# Altium PCB KAY1024_ATX.PcbDoc (part 1 of 4)
Units mm, origin at the board's own origin, x right, y up, seen from the top; angles counter-clockwise.
Board outline 170 x 215 mm, 2 copper layers (Top Layer, Bottom Layer), stack 1.57 mm thick; 239 components, 312 nets, 1637 pads, 958 vias.
Unrouted connection lines stored in the file: 1.
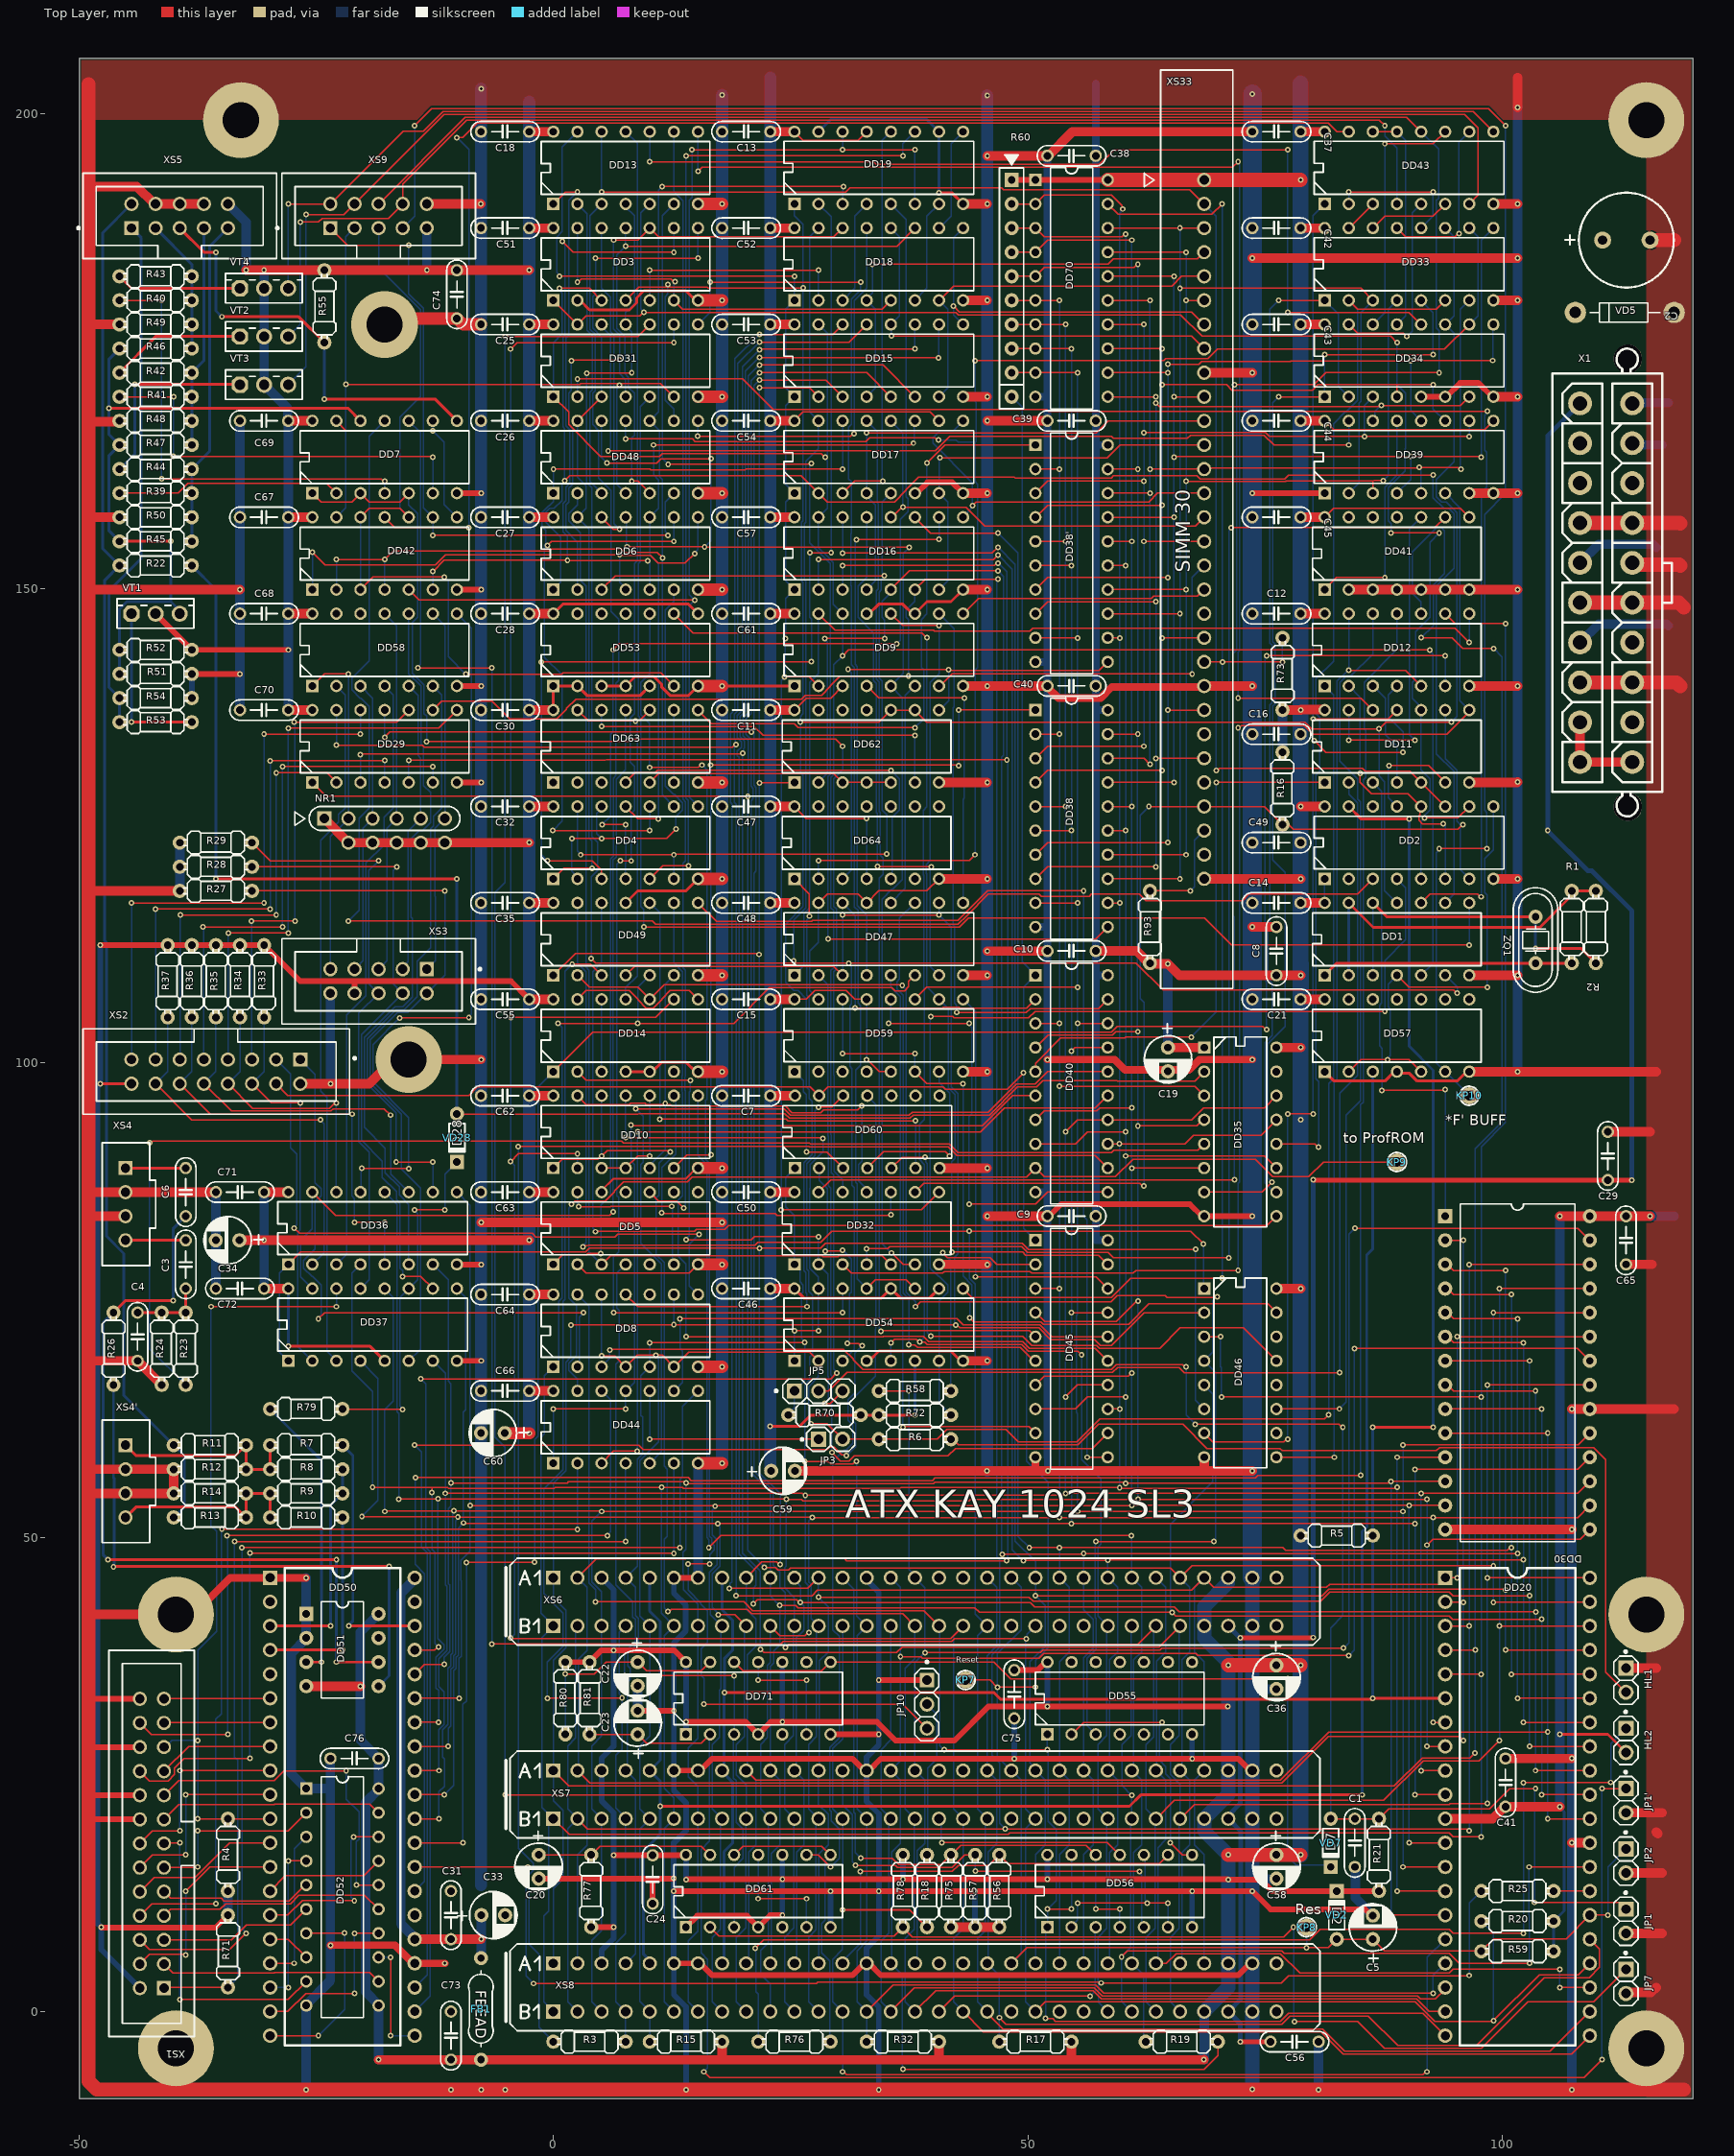
[diagram p0: Top Layer view]
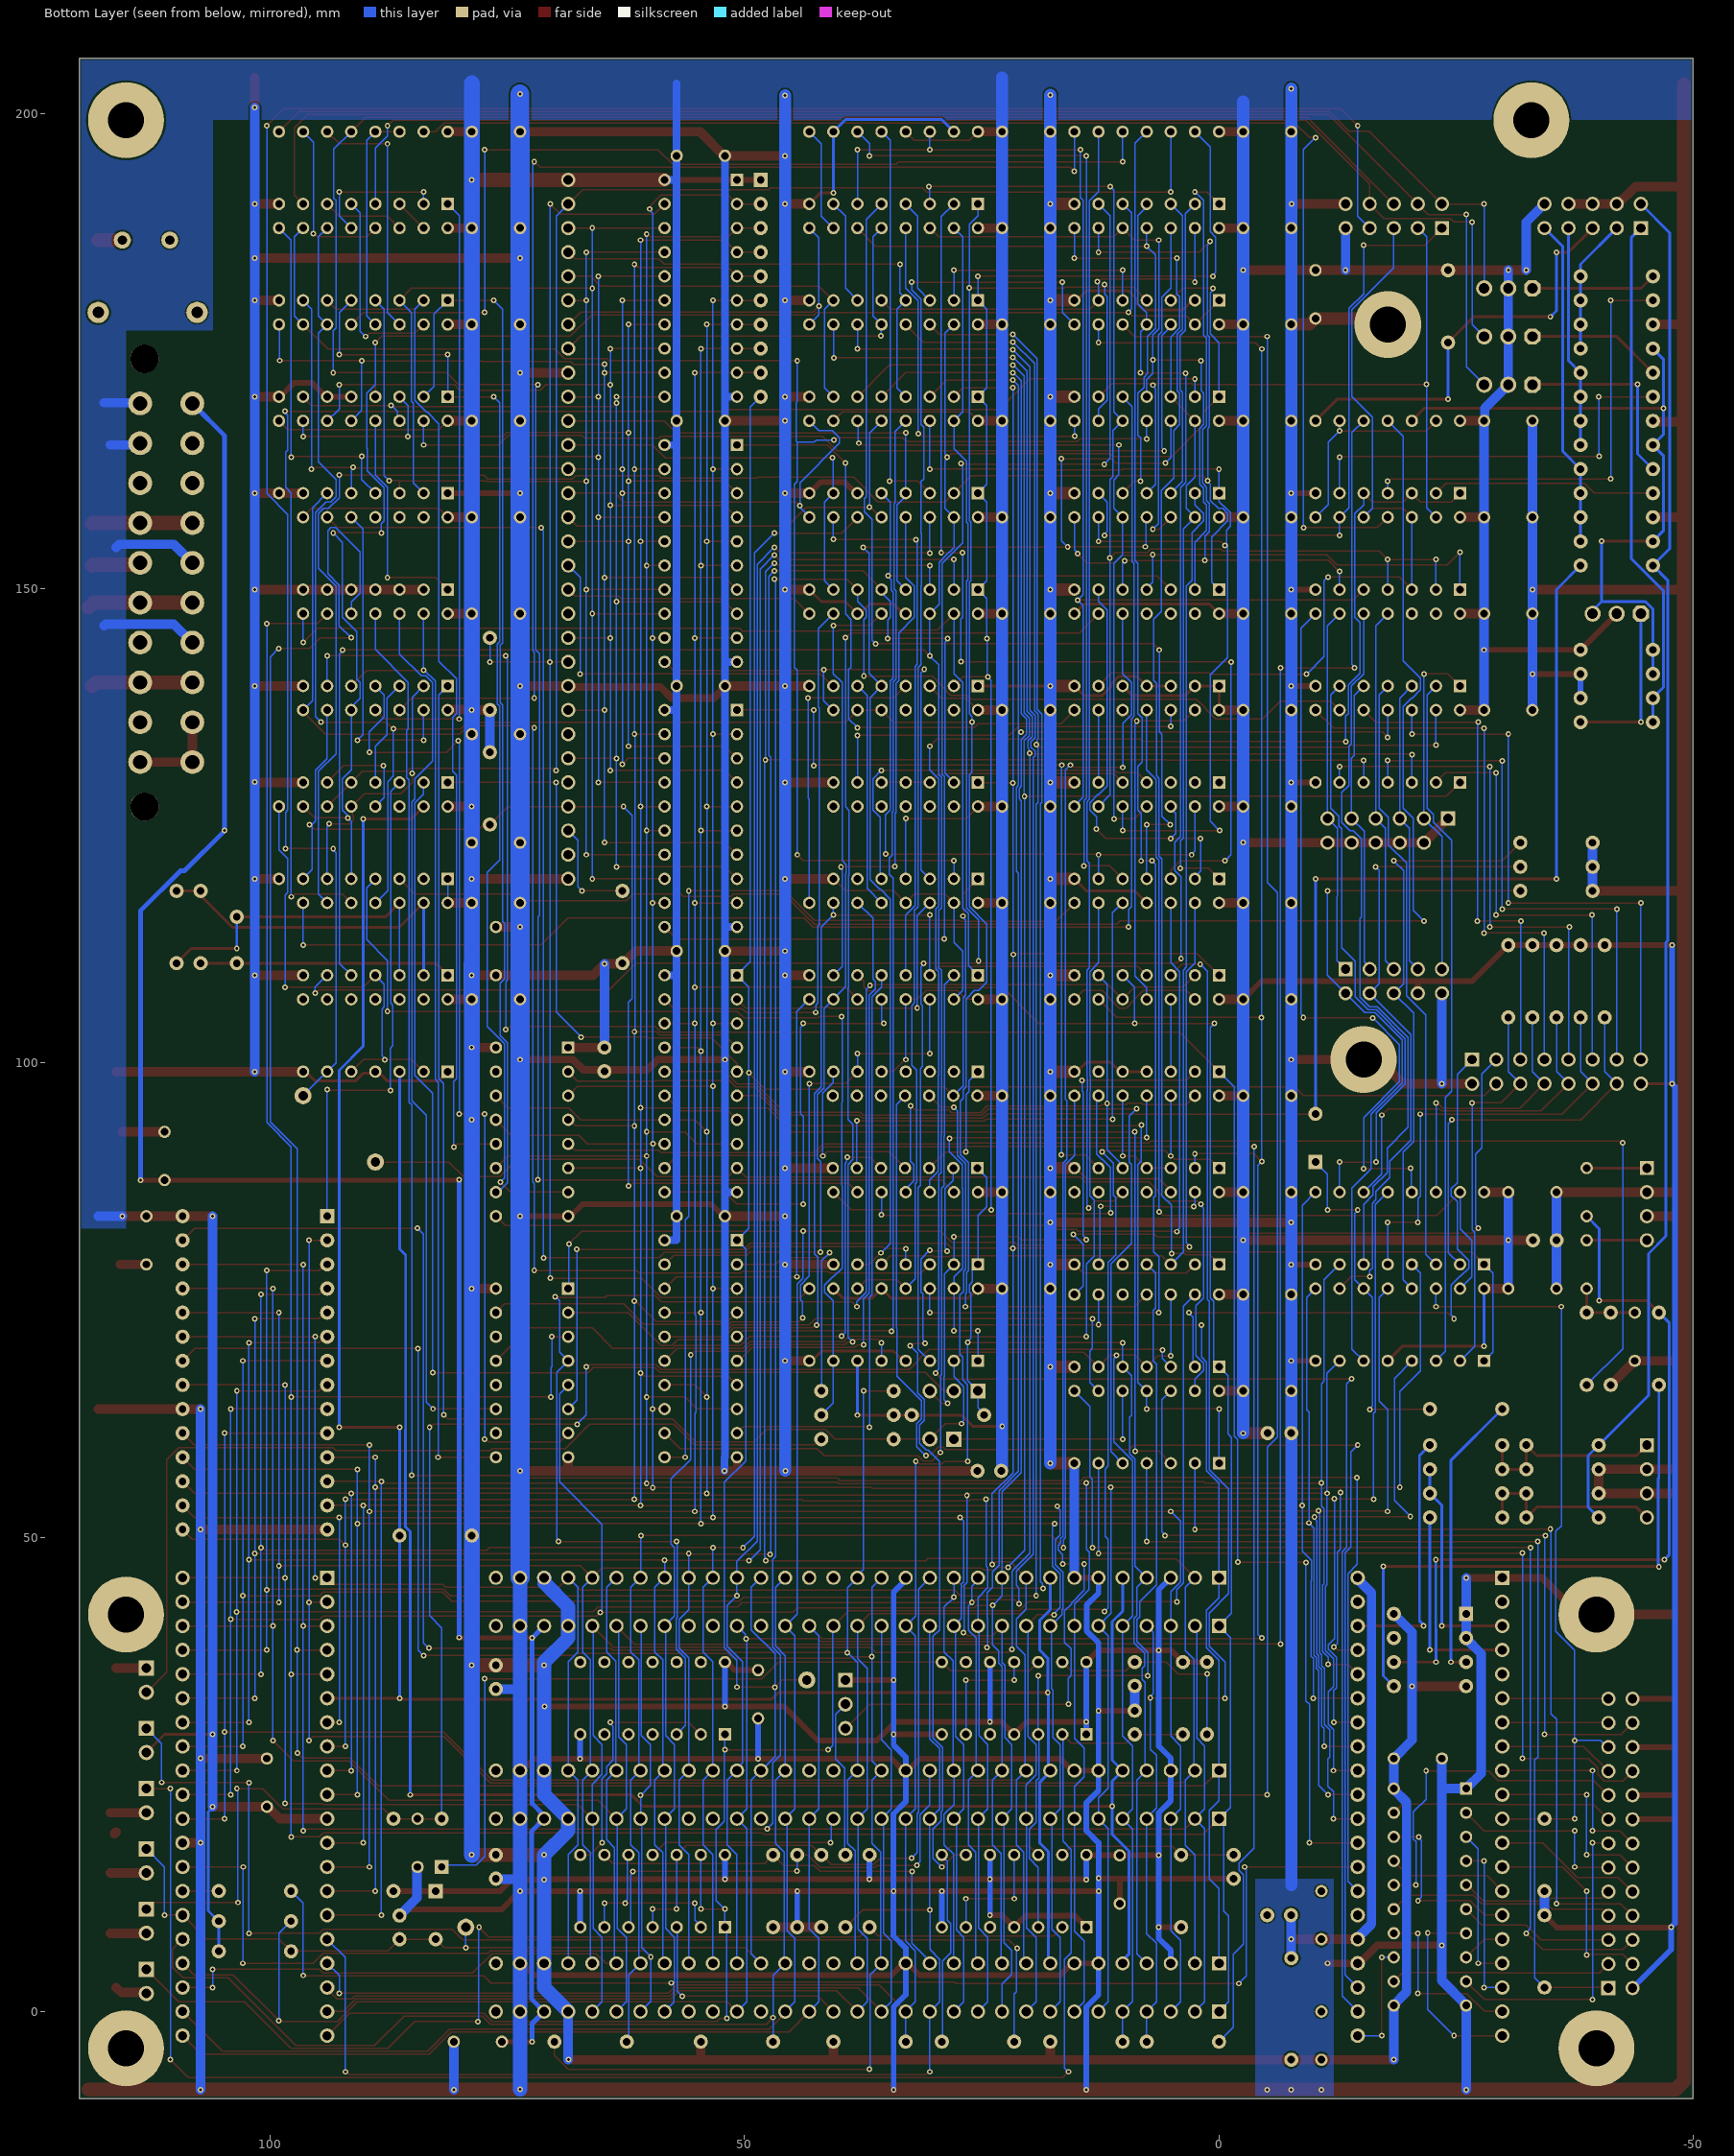
[diagram p1: Bottom Layer view, seen from below]
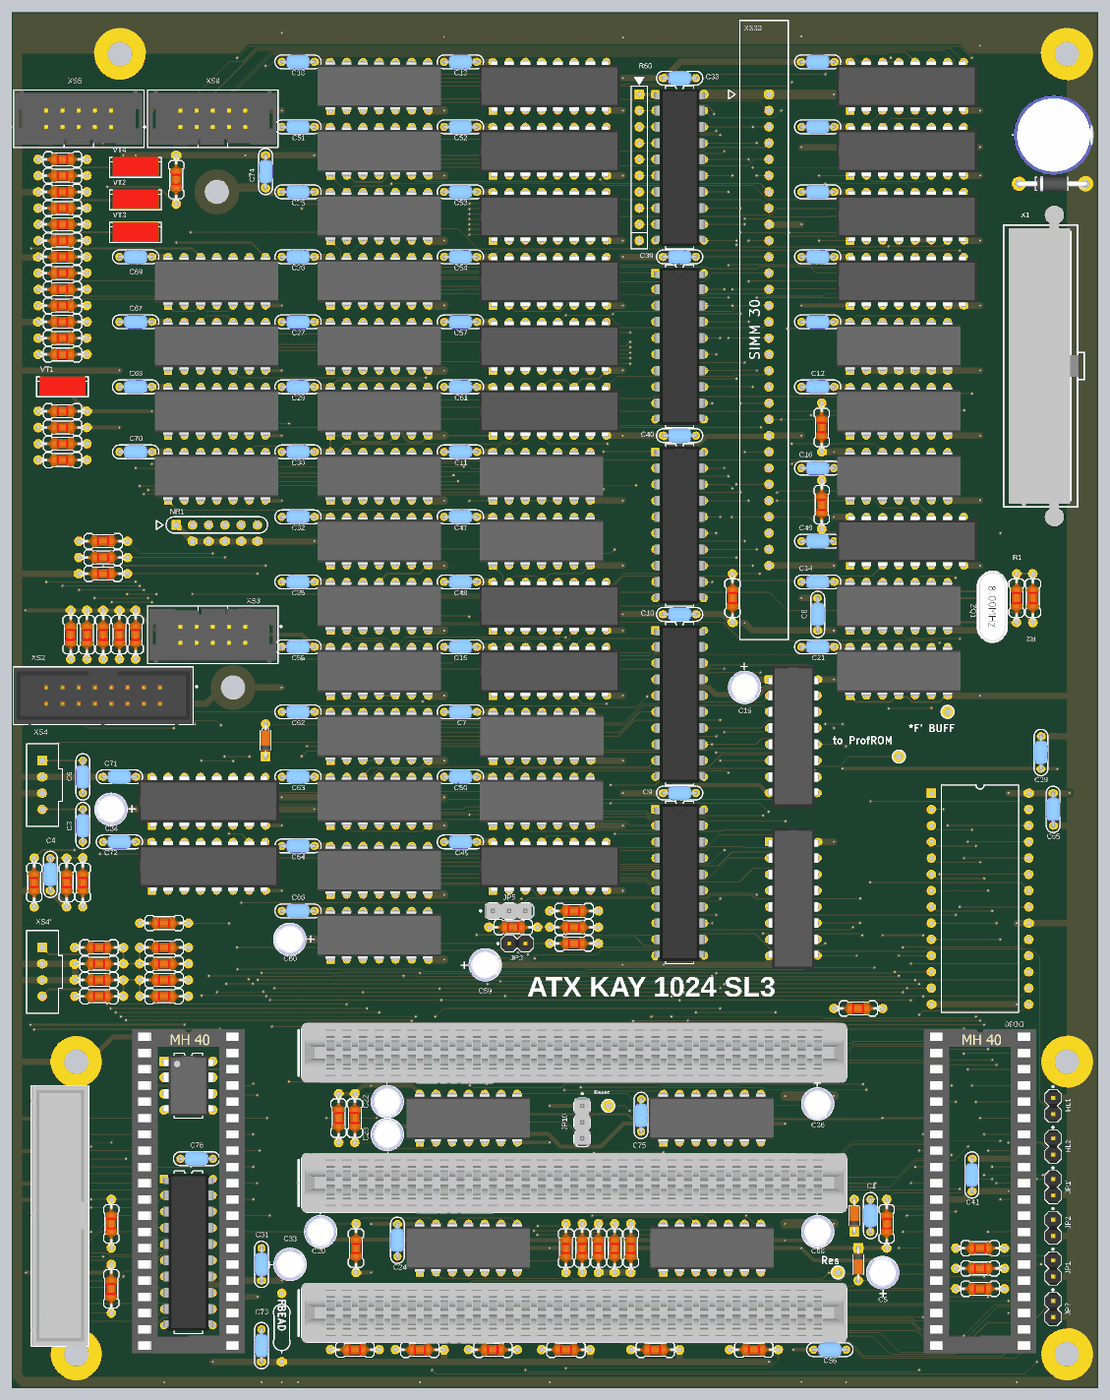
[diagram p5: 3D render of the assembled board from above, using the file's embedded part models]

## Layer stack, top to bottom
Top Solder: solder mask 0.0127, Solder Resist, Dk 3.8
Top Layer: signal copper 0.035
Dielectric: core 1.5, FR-4, Dk 4.5
Bottom Layer: signal copper 0.035
Bottom Solder: solder mask 0.0127, Solder Resist, Dk 3.8

## Board outline
-49.926,-9.164 120.074,-9.164 120.074,205.836 -49.926,205.836

## Design rules (kind name [scope] priority, off if disabled: settings)
BoardOutlineClearance [All] p1: gap=0.2 ignorepadtopadclearanceinfootprint=FALSE
Clearance [All] p1: gap=0.2 ignorepadtopadclearanceinfootprint=FALSE except(0.15: Arc-Arc Arc-Track Track-Track; 0.25: Arc-Hole Track-Hole SMDPad-Hole THPad-Hole Via-Hole Fill-Hole Poly-Hole Region-Hole Text-Hole)
ComponentClearance [All] p1: gap=0.127 collisioncheckmode=3 verticalgap=0.127 showdistances=TRUE
DiffPairsRouting [All] p1: maxlimit=0.254 minlimit=0.127 mostfreqgap=0.127 toplayer_minwidth=0.127 toplayer_maxwidth=25.4 toplayer_prefwidth=0.127 bottomlayer_minwidth=0.127 bottomlayer_maxwidth=25.4 bottomlayer_prefwidth=0.127 maxuncoupledlength=12.7
Height [All] p1: minheight=0 maxheight=1816.048 prefheight=12.7
HoleSize [All] p1: absolutevalues=TRUE maxlimit=6.3 minlimit=0.3 maxpercent=80.000 minpercent=20.000
HoleToHoleClearance [All] p1: gap=0.25 allowstackedmicrovias=FALSE
MinimumAnnularRing [All] p1: minimumring=0.076
MinimumSolderMaskSliver [All] p1: minsoldermaskwidth=0
PlaneClearance [All] p1: clearance=0.127
PlaneConnect PlaneConnectPowerPads [InPadClass('PowerPads')] p1: planeconnectstyle=Direct reliefexpansion=0.508 reliefentries=4 reliefconductorwidth=0.254 reliefairgap=0.254
PlaneConnect [All] p2: pad.planeconnectstyle=Relief pad.reliefexpansion=0.3 pad.reliefentries=4 pad.reliefconductorwidth=0.127 pad.reliefairgap=0.127 via.planeconnectstyle=Direct via.reliefexpansion=0.3 via.reliefentries=4 via.reliefconductorwidth=0.127 via.reliefairgap=0.127
PolygonConnect PolygonConnectPowerPads [All vs (InPadClass('PowerPads'))] p1: connectstyle=Direct reliefconductorwidth=0.254 reliefentries=4 polygonreliefangle="90 Angle" airgapwidth=0.254
PolygonConnect [All] p2: thpad.connectstyle=Relief thpad.reliefconductorwidth=0.127 thpad.reliefentries=4 thpad.polygonreliefangle="90 Angle" thpad.airgapwidth=0.127 smdpad.connectstyle=Relief smdpad.reliefconductorwidth=0.127 smdpad.reliefentries=4 smdpad.polygonreliefangle="90 Angle" smdpad.airgapwidth=0.127 via.connectstyle=Direct via.reliefconductorwidth=0.127 via.reliefentries=4 via.polygonreliefangle="90 Angle" via.airgapwidth=0.127
RoutingTopology [All] p1: topology=Daisy_Balanced
RoutingVias [All] p1: holewidth=0.3 width=0.6 viastyle="Through Hole" minholewidth=0.3 minwidth=0.6 maxholewidth=0.6 maxwidth=6.6
SilkToSilkClearance [All] p1: silktosilkclearance=0
SilkToSolderMaskClearance [IsPad] p1: minsilkscreentomaskgap=0.127 clearancetoexposedcopper=TRUE
SolderMaskExpansion [All] p1: expansion=0.075 istentingtop=FALSE
Width [All] p1: maxlimit=25.4 minlimit=0.15 preferedwidth=0.15 minimp=50.000000 maximp=50.000000 favimp=50.000000
19 further rules are at their usual default settings.

## Classes and differential pairs
component class Memory: C34 C48 C49 DD15 DD16 DD17 DD18 DD19 DD38 DD38' DD70 R93 XS33

## Components (designator, comment, footprint, x,y, rotation, side; value= is the part's Value field where it differs from the comment)
C1 "" CAP 84.455,20.32 r270 top value=0.1
C2 "CP" "AL CAP P=5" 110.57,186.69 r0 top value=10.0
C3 "" CAP -38.738,81.28 r270 top value=0.1
C4 "" CAP -43.815,73.66 r270 top value=6n8
C5 "CP" "AL CAP P=2.5 D=3" 86.36,7.62 r90 top value=10.0
C6 "" CAP -38.735,88.9 r270 top value=100n
C7 "" CAP 22.86,96.52 r180 top value=0,1
C8 "" CAP 76.2,109.22 r90 top locked value=0,1
C9 "" CAP 57.15,83.833 r180 top locked value=0,1
C10 "" CAP 57.15,111.77 r180 top locked value=0,1
C11 "" CAP 22.86,137.16 r180 top value=0,1
C12 "" CAP 78.74,147.32 r180 top value=0,1
C13 "" CAP 22.86,198.12 r180 top value=0,1
C14 "" CAP 78.74,116.84 r180 top value=0,1
C15 "" CAP 22.86,106.68 r180 top value=0,1
C16 "" CAP 78.74,134.62 r180 top value=0,1
C18 "" CAP -2.54,198.12 r180 top value=0,1
C19 "CP" "AL CAP P=2.5 D=3" 64.77,101.6 r270 top value=10.0
C20 "CP" "AL CAP P=2.5 D=3" -1.543,16.51 r270 top value=10.0
C21 "" CAP 78.74,106.68 r180 top value=0,1
C22 "CP" "AL CAP P=2.5 D=3" 8.877,36.83 r270 top value=10.0
C23 "CP" "AL CAP P=2.5 D=3" 8.89,29.21 r90 top value=10.0
C24 "" CAP 10.471,16.464 r270 top value=0,1
C25 "" CAP -2.54,177.8 r180 top value=0,1
C26 "" CAP -2.54,167.64 r180 top value=0,1
C27 "" CAP -2.54,157.48 r180 top value=0,1
C28 "" CAP -2.54,147.32 r180 top value=0,1
C29 "" CAP 111.125,92.71 r270 top value=0.1
C30 "" CAP -2.54,137.16 r180 top value=0,1
C31 "" CAP -10.795,7.62 r90 top value=4,7
C32 "" CAP -2.54,127 r180 top value=0,1
C33 "CP" "AL CAP P=2.5 D=3" -7.58,10.16 r0 top value=10.0
C34 "CP" "AL CAP P=2.5 D=3" -33.077,81.283 r180 top value=10.0
C35 "" CAP -2.54,116.84 r180 top value=0,1
C36 "CP" "AL CAP P=2.5 D=3" 76.2,36.49 r270 top value=10.0
C37 "" CAP 78.74,198.12 r180 top value=0,1
C38 "" CAP 57.15,195.58 r180 top locked value=0,1
C39 "" CAP 57.15,167.643 r180 top locked value=0,1
C40 "" CAP 57.15,139.707 r180 top locked value=0,1
C41 "" CAP 100.33,21.59 r90 top value=0,1
C42 "" CAP 78.74,187.96 r180 top value=0,1
C43 "" CAP 78.74,177.8 r180 top value=0,1
C44 "" CAP 78.74,167.64 r180 top value=0,1
C45 "" CAP 78.74,157.48 r180 top value=0,1
C46 "" CAP 22.86,76.2 r180 top value=0,1
C47 "" CAP 22.86,127 r180 top value=0,1
C48 "" CAP 22.86,116.84 r180 top value=0,1
C49 "" CAP 78.74,123.19 r180 top value=0,1
C50 "" CAP 22.86,86.36 r180 top value=0,1
C51 "" CAP -2.54,187.96 r180 top value=0,1
C52 "" CAP 22.86,187.96 r180 top value=0,1
C53 "" CAP 22.86,177.8 r180 top value=0,1
C54 "" CAP 22.86,167.64 r180 top value=0,1
C55 "" CAP -2.54,106.68 r180 top value=0,1
C56 "" CAP 75.565,-3.175 r0 top value=0,1
C57 "" CAP 22.86,157.48 r180 top value=0,1
C58 "CP" "AL CAP P=2.5 D=3" 76.2,16.51 r270 top value=10.0
C59 "CP" "AL CAP P=2.5 D=3" 22.951,56.981 r0 top value=10.0
C60 "CP" "AL CAP P=2.5 D=3" -5.12,60.96 r180 top value=10.0
C61 "" CAP 22.86,147.32 r180 top value=0,1
C62 "" CAP -2.54,96.52 r180 top value=0,1
C63 "" CAP -2.54,86.36 r180 top value=0,1
C64 "" CAP -2.54,75.565 r180 top value=0,1
C65 "" CAP 113.03,83.82 r270 top value=0,1
C66 "" CAP -2.54,65.405 r180 top value=0,1
C67 "" CAP -27.94,157.48 r180 top value=0,1
C68 "" CAP -27.94,147.32 r180 top value=0,1
C69 "" CAP -27.94,167.64 r180 top value=0,1
C70 "" CAP -27.94,137.16 r180 top value=0,1
C71 "" CAP -30.48,86.36 r180 top value=0,1
C72 "" CAP -30.48,76.2 r180 top value=0,1
C73 "" CAP -10.795,-5.08 r90 top value=0,1
C74 "" CAP -10.16,183.515 r270 top value=0,1
C75 "" CAP 48.573,35.979 r270 top locked value=0,1
C76 "" CAP -18.415,26.67 r180 top value=0,1
DD1 "К555ЛН1" DIP14 81.28,109.22 r90 top locked
DD2 "" DIP16 81.28,119.38 r90 top locked
DD3 "" DIP14 0,180.34 r90 top locked
DD4 "" DIP14 0,119.38 r90 top locked
DD5 "" DIP14 0,78.74 r90 top locked
DD6 "" DIP14 0,149.86 r90 top locked
DD7 "" DIP14 -25.4,160.02 r90 top locked
DD8 "" DIP14 0,67.945 r90 top locked
DD9 "" DIP16 25.4,139.7 r90 top locked
DD10 "К555ЛЛ1" DIP14 0,88.9 r90 top locked
DD11 "" DIP14 81.28,129.54 r90 top locked
DD12 "К555ЛА3" DIP14 81.28,139.7 r90 top locked
DD13 "К555ЛИ1" DIP14 0,190.5 r90 top locked
DD14 "К555ЛЛ1" DIP14 0,99.06 r90 top locked
DD15 "" DIP16 25.4,170.18 r90 top locked
DD16 "" DIP16 25.4,149.86 r90 top locked
DD17 "" DIP16 25.4,160.02 r90 top locked
DD18 "" DIP16 25.4,180.34 r90 top locked
DD19 "" DIP16 25.4,190.5 r90 top locked
DD20 "" DIP40 93.98,45.72 r0 top locked
DD29 "" DIP14 -25.4,129.54 r90 top locked
DD30 "27512" DIP28 93.98,83.82 r0 top locked
DD31 "" DIP14 0,170.18 r90 top locked
DD32 "К555ЛН1" DIP14 25.4,78.74 r90 top locked
DD33 "" DIP16 81.28,180.34 r90 top locked
DD34 "" DIP16 81.28,170.18 r90 top locked
DD35 "" DIP16 68.58,101.6 r0 top locked
DD36 "" DIP16 -27.94,78.74 r90 top locked
DD37 "" DIP16 -27.94,68.58 r90 top locked
DD38 "" DIP20 50.8,137.16 r0 top locked
DD38' "К555ИР23" DIP20 50.8,165.1 r0 top
DD39 "" DIP16 81.28,160.02 r90 top locked
DD40 "" DIP20 50.8,109.22 r0 top locked
DD41 "" DIP14 81.28,149.86 r90 top locked
DD42 "К555ЛА3" DIP14 -25.4,149.86 r90 top locked
DD43 "" DIP16 81.28,190.5 r90 top
DD44 "" DIP14 0,57.785 r90 top locked
DD45 "" DIP20 50.8,81.28 r0 top locked
DD46 "" DIP16 68.58,76.2 r0 top locked
DD47 "" DIP16 25.4,109.22 r90 top locked
DD48 "К555ЛЛ1" DIP14 0,160.02 r90 top
DD49 "" DIP14 0,109.22 r90 top locked
DD50 "" DIP40 -29.845,45.72 r0 top locked
DD51 "" DIP8 -26.035,41.91 r0 top locked
DD52 "" DIP20 -26.035,23.495 r0 top locked
DD53 "" DIP14 0,139.7 r90 top locked
DD54 "" DIP16 25.4,68.58 r90 top locked
DD55 "К555ЛЛ1" DIP14 52.07,29.21 r90 top locked
DD56 "К555ЛЛ1" DIP14 52.07,8.89 r90 top
DD57 "" DIP14 81.28,99.06 r90 top
DD58 "К555ЛН1" DIP14 -25.4,139.7 r90 top locked
DD59 "" DIP16 25.4,99.06 r90 top locked
DD60 "К555ЛИ1" DIP14 25.464,88.9 r90 top locked
DD61 "К555ТМ2" DIP14 13.97,8.89 r90 top locked
DD62 "К555ЛА3" DIP14 25.4,129.54 r90 top locked
DD63 "К555ЛЛ1" DIP14 0,129.54 r90 top locked
DD64 "К555ТМ2" DIP14 25.4,119.38 r90 top locked
DD70 "" DIP20 50.8,193.04 r0 top locked
DD71 "К555ТМ2" DIP14 13.97,29.21 r90 top locked
FB1 "FBEAD" "L AIXAL" -7.62,5.636 r270 top
HL1 "" PLS-2 113.03,36.195 r270 top
HL2 "LED #1FFD" PLS-2 113.03,29.845 r270 top
JP1 "TURBO" PLS-2 113.03,10.795 r270 top
JP1' "TURBO" PLS-2 113.03,23.495 r270 top
JP2 "TURBO" PLS-2 113.03,17.145 r270 top
JP3 "5 6" PLS-2 27.94,60.325 r0 top
JP5 "" PLS-3 27.94,65.405 r0 top locked
JP7 "Blk#1FFD" PLS-2 113.03,4.445 r270 top
JP10 "INT Cfg" PLS-3 39.37,32.385 r270 top
KP7 "Reset" Socket 43.436,34.942 r0 top
KP8 "Res" Socket 79.375,8.89 r270 top locked
KP9 "to ProfROM" Socket 88.9,89.535 r0 top
KP10 "*F' BUFF" Socket 96.52,96.52 r0 top
NR1 "" SIL6 -24.13,125.73 r0 top value=1k...2k2
R1 "" RES 107.315,114.3 r180 top value=680
R2 "" RES 109.855,114.3 r0 top value=680
R3 "" RES 3.81,-3.175 r90 top value=680
R4 "" RES -34.29,6.35 r180 top value=3k
R5 "" RES 82.55,50.165 r270 top value=680
R6 "" RES 38.1,60.325 r270 top value=680
R7 "" RES -26.035,59.69 r90 top locked value=1k5
R8 "" RES -26.035,57.15 r90 top locked value=3k
R9 "" RES -26.035,54.61 r90 top locked value=3k
R10 "" RES -26.035,52.07 r90 top locked value=1k5
R11 "" RES -36.195,59.69 r90 top locked value=10k
R12 "" RES -36.195,57.15 r90 top locked value=1k
R13 "" RES -36.195,52.07 r90 top locked value=10k
R14 "" RES -36.195,54.61 r90 top locked value=1k
R15 "" RES 13.97,-3.175 r270 top value=680
R16 "" RES 76.835,128.905 r180 top value=680
R17 "" RES 50.8,-3.175 r270 top locked value=1K5
R18 "" RES 39.37,12.7 r0 top locked value=680
R19 "" RES 66.222,-3.175 r90 top value=680
R20 "" RES 101.6,9.525 r90 top value=680
R21 "" RES 86.995,16.51 r180 top value=10k
R22 "" RES -41.91,152.4 r270 top value=3k
R23 "" RES -38.742,69.853 r0 top value=1k5
R24 "" RES -41.275,69.853 r0 top value=680
R25 "" RES 101.6,12.7 r270 top value=680
R26 "" RES -46.355,69.853 r0 top value=20k
R27 "" RES -35.56,118.11 r90 top value=10k
R28 "" RES -35.56,120.65 r90 top value=10k
R29 "" RES -35.56,123.19 r90 top value=10k
R32 "" RES 36.83,-3.175 r270 top value=1k5
R33 "" RES -30.48,108.585 r180 top value=1k5
R34 "" RES -33.02,108.585 r180 top value=1k5
R35 "" RES -35.56,108.585 r180 top value=1k5
R36 "" RES -38.1,108.585 r180 top value=1k5
R37 "" RES -40.64,108.585 r180 top value=1k5
R39 "" RES -41.91,160.02 r90 top value=100
R40 "" RES -41.91,180.34 r90 top value=100
R41 "" RES -41.91,170.18 r90 top value=100
R42 "" RES -41.91,172.72 r270 top value=33
R43 "" RES -41.91,182.88 r270 top value=33
R44 "" RES -41.91,162.56 r270 top value=33
R45 "" RES -41.91,154.94 r90 top value=4k7
R46 "" RES -41.91,175.26 r90 top value=2k4
R47 "" RES -41.91,165.1 r90 top value=10k
R48 "" RES -41.91,167.64 r90 top value=200
R49 "" RES -41.91,177.8 r90 top value=200
R50 "" RES -41.91,157.48 r90 top value=200
R51 "" RES -41.91,140.97 r270 top value=4k7
R52 "" RES -41.91,143.51 r270 top value=2k4
R53 "" RES -41.91,135.89 r270 top value=33
R54 "" RES -41.91,138.43 r270 top value=200
R55 "" RES -24.13,179.705 r0 top value=200
R56 "" RES 46.99,12.7 r180 top value=680
R57 "" RES 44.45,12.7 r180 top value=680
R58 "" RES 38.1,65.405 r270 top value=680
R59 "" RES 101.6,6.35 r270 top value=10k
R60 "" SIL10 48.299,193.04 r270 top locked value=10k
R70 "" RES 28.575,62.865 r270 top locked value=1k5
R71 "" RES -34.29,16.51 r0 top value=1k5
R72 "" RES 38.1,62.865 r270 top value=430
R73 "" RES 76.835,140.97 r0 top value=430
R75 "" RES 41.91,12.7 r180 top value=680
R76 "" RES 25.4,-3.175 r270 top value=680
R77 "" RES 3.992,12.7 r180 top value=10k
R78 "" RES 36.83,12.7 r180 top value=10k
R79 "" RES -26.035,63.5 r90 top value=680
R80 "" RES 1.27,33.02 r180 top value=10k
R81 "" RES 3.81,33.02 r180 top value=1k
R93 "" RES 62.865,114.3 r0 top value=1k
VD2 "D2" 1N4148 82.55,12.7 r270 top
VD5 "BZX85C5V1" BZX85C5V1 107.695,179.073 r0 top
VD7 "D7" 1N4148 81.915,15.24 r90 top
VD28 "D28" 1N4148 -10.16,89.535 r90 top
VT1 "" VT -41.91,147.32 r0 top
VT2 "" VT -30.48,176.53 r0 top
VT3 "" VT -30.48,171.45 r0 top
VT4 "" VT -30.48,181.61 r0 top
X1 "Разъем ATX-питания" ATXPOWER 108.189,131.681 r90 top
XS1 "Printer" BH-26 -41.036,2.476 r90 top locked
XS2 "Keyboard" BH-16 -26.67,100.33 r180 top locked
XS3 "KEMPSTON" BH-10 -18.415,108.36 r180 top locked
XS4 "TAPE" STEREO_CONN -45.085,88.9 r270 top locked
XS4' "Audio" STEREO_CONN -45.085,59.69 r270 top locked
XS5 "Video/TV" BH-10 -39.37,189.455 r0 top locked
XS6 "" SLOT62_ZXSLOT(Primary) 0,45.72 r90 top locked
XS7 "" SLOT62_ZXSLOT(Primary) 0,25.4 r90 top locked
XS8 "" SLOT62_ZXSLOT(Primary) 0,5.08 r90 top locked
XS9 "IDC-10" BH-10 -18.415,189.455 r0 top locked
XS33 "SIMM30" SIMM30 68.58,193.04 r270 top locked
ZQ1 "" HC49 103.505,110.49 r90 top value="14.0 Mhz"
